# Altium PCB Controller A20.PcbDoc (part 1 of 2) (continued)
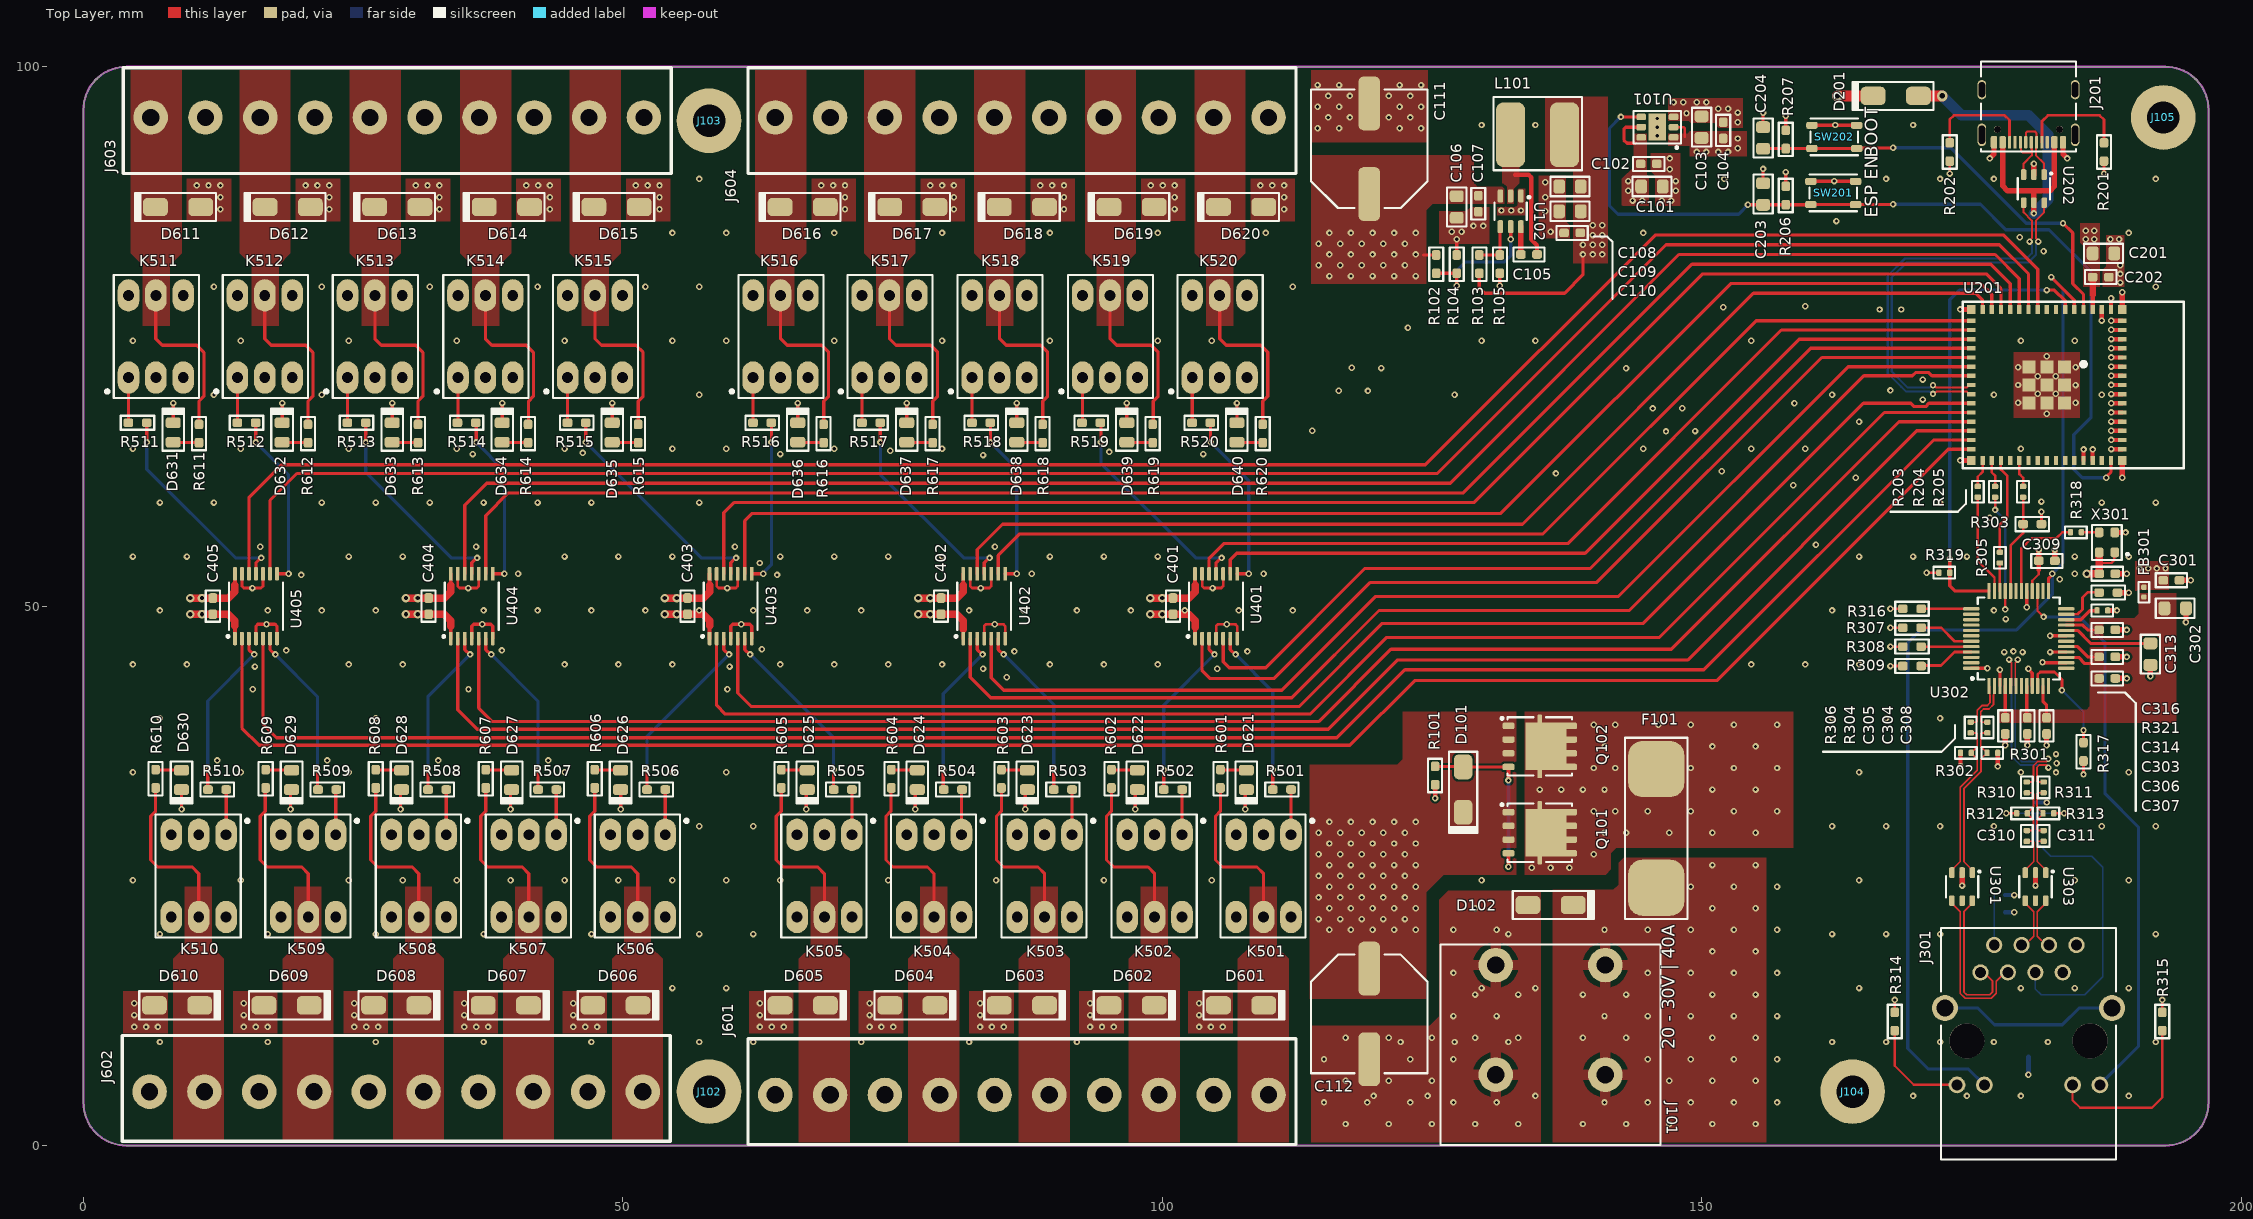
[diagram p0: Top Layer view]
## Components (designator, comment, footprint, x,y, rotation, side; value= is the part's Value field where it differs from the comment)
C101 "22u" C0805 145.4,88.9 r180 top
C102 "100n" C0603 145.1,91 r180 top
C103 "22u" C0805 150,94.4 r270 top
C104 "100n" C0603 152,94.1 r270 top
C105 "100n" C0603 134,82.6 r0 top
C106 "4u7" C0805 127.3,87 r90 top
C107 "100n" C0603 129.3,87.3 r90 top
C108 "22u" C0805 137.8,88.9 r0 top
C109 "22u" C0805 137.8,86.6 r0 top
C110 "100n" C0603 138,84.6 r0 top
C111 "330u" "SMD CAP,D10.3XL10.3MM" 119.2,92.4 r270 top
C112 "330u" "SMD CAP,D10.3XL10.3MM" 119.2,12.2 r90 top
C201 "4u7" C0805 187.25,82.7 r180 top
C202 "100n" C0603 187,80.5 r180 top
C203 "4u7" C0805 155.7,88.2 r270 top
C204 "4u7" C0805 155.7,93.4 r270 top
C301 "100n" C0603 193.55,52.4 r180 top
C302 "4u7" C0805 193.9,49.8 r180 top
C303 "100n" C0603 187.6,47.8 r180 top
C304 "100n" C0603 180.2,38.9 r90 top
C305 "100n" C0603 178.148,38.904 r90 top
C306 "100n" C0603 187.6,45.3 r180 top
C307 "100n" C0603 187.6,43.3 r180 top
C308 "100n" C0603 181.975,38.9 r90 top
C309 "100n" C0603 182,54.2 r180 top
C310 "6n8" C0402 180.146,28.7 r270 top
C311 "6n8" C0402 181.7,28.7 r270 top
C312 "10n" C0402 180.95,31.3 r270 bottom
C313 "4u7" C0805 191.6,45.55 r90 top
C314 "10n" C0402 187.15,49.6 r180 top
C315 "1n" C1206 180.3,9.7 r90 bottom
C316 "100n" C0603 187.6,53.008 r180 top
C317 "22n" C0402 177.625,21.625 r180 bottom
C401 "100n" C0603 101,50 r90 top
C402 "100n" C0603 79.5,50 r90 top
C403 "100n" C0603 56,50 r90 top
C404 "100n" C0603 32,50 r90 top
C405 "100n" C0603 12,50 r90 top
D101 "SMAZ15-13-F" DO-214AC(SMA) 127.9,33 r270 top
D102 "SMAJ30A" DO-214AC(SMA) 136,22.3 r0 top
D201 "SK510A-LTP" DO-214AC(SMA) 168,97.3 r180 top
D601 "SK510A-LTP" DO-214AC(SMA) 107.32,13 r0 top locked
D602 "SK510A-LTP" DO-214AC(SMA) 97.16,13 r0 top locked
D603 "SK510A-LTP" DO-214AC(SMA) 87,13 r0 top locked
D604 "SK510A-LTP" DO-214AC(SMA) 76.84,13 r0 top locked
D605 "SK510A-LTP" DO-214AC(SMA) 66.68,13 r0 top locked
D606 "SK510A-LTP" DO-214AC(SMA) 49.32,13 r0 top locked
D607 "SK510A-LTP" DO-214AC(SMA) 39.16,13 r0 top locked
D608 "SK510A-LTP" DO-214AC(SMA) 29,13 r0 top locked
D609 "SK510A-LTP" DO-214AC(SMA) 18.84,13 r0 top locked
D610 "SK510A-LTP" DO-214AC(SMA) 8.68,13 r0 top locked
D611 "SK510A-LTP" DO-214AC(SMA) 8.78,87 r180 top locked
D612 "SK510A-LTP" DO-214AC(SMA) 18.94,87 r180 top locked
D613 "SK510A-LTP" DO-214AC(SMA) 29.1,87 r180 top locked
D614 "SK510A-LTP" DO-214AC(SMA) 39.26,87 r180 top locked
D615 "SK510A-LTP" DO-214AC(SMA) 49.42,87 r180 top locked
D616 "SK510A-LTP" DO-214AC(SMA) 66.68,87 r180 top locked
D617 "SK510A-LTP" DO-214AC(SMA) 76.84,87 r180 top locked
D618 "SK510A-LTP" DO-214AC(SMA) 87,87 r180 top locked
D619 "SK510A-LTP" DO-214AC(SMA) 97.16,87 r180 top locked
D620 "SK510A-LTP" DO-214AC(SMA) 107.32,87 r180 top locked
D621 "XL-2012UGC" "0805 G LED" 107.8,33.9 r270 top locked
D622 "XL-2012UGC" "0805 G LED" 97.7,33.9 r270 top locked
D623 "XL-2012UGC" "0805 G LED" 87.5,33.9 r270 top locked
D624 "XL-2012UGC" "0805 G LED" 77.3,33.9 r270 top locked
D625 "XL-2012UGC" "0805 G LED" 67.1,33.9 r270 top locked
D626 "XL-2012UGC" "0805 G LED" 49.799,33.9 r270 top locked
D627 "XL-2012UGC" "0805 G LED" 39.699,33.9 r270 top locked
D628 "XL-2012UGC" "0805 G LED" 29.499,33.9 r270 top locked
D629 "XL-2012UGC" "0805 G LED" 19.299,33.9 r270 top locked
D630 "XL-2012UGC" "0805 G LED" 9.099,33.9 r270 top locked
D631 "XL-2012UGC" "0805 G LED" 8.321,66.1 r90 top locked
D632 "XL-2012UGC" "0805 G LED" 18.421,66.1 r90 top locked
D633 "XL-2012UGC" "0805 G LED" 28.621,66.1 r90 top locked
D634 "XL-2012UGC" "0805 G LED" 38.821,66.1 r90 top locked
D635 "XL-2012UGC" "0805 G LED" 49.021,66.1 r90 top locked
D636 "XL-2012UGC" "0805 G LED" 66.219,66.1 r90 top locked
D637 "XL-2012UGC" "0805 G LED" 76.319,66.1 r90 top locked
D638 "XL-2012UGC" "0805 G LED" 86.519,66.1 r90 top locked
D639 "XL-2012UGC" "0805 G LED" 96.719,66.1 r90 top locked
D640 "XL-2012UGC" "0805 G LED" 106.919,66.1 r90 top locked
F101 "50A" "SMD FUSE,12.2 X 4.5 X 4.5 MM" 145.8,29.4 r270 top
FB301 "120R" FB0402 191,51.3 r270 top
J101 "691256610002" "10.16MM 2P STB" 136,11.65 r0 top
J102 "Mounting Hole D6mm H3mm" "MH D6MM H3MM" 58,5 r0 top
J103 "Mounting Hole D6mm H3mm" "MH D6MM H3MM" 58,95 r0 top
J104 "Mounting Hole D6mm H3mm" "MH D6MM H3MM" 164,5 r0 top
J105 "Mounting Hole D6mm H3mm" "MH D6MM H3MM" 192.8,95.3 r0 top
J201 "12402012E212A" "USB-C FEMALE 16P" 180.3,95.5 r180 top
J301 "7499011121A" "RJ45 TH CONNECTOR" 180.3,9.7 r0 top
J601 "691242510010" "5.08MM 10P STB" 87,4.7 r180 top
J602 "691242510010" "5.08MM 10P STB" 29,5 r180 top
J603 "691242510010" "5.08MM 10P STB" 29.1,95.3 r0 top
J604 "691242510010" "5.08MM 10P STB" 87,95.3 r0 top
K501 "G3VM-61BR2" DIP6 109.4,25 r270 top locked
K502 "G3VM-61BR2" DIP6 99.3,25 r270 top locked
K503 "G3VM-61BR2" DIP6 89.1,25 r270 top locked
K504 "G3VM-61BR2" DIP6 78.856,25 r270 top locked
K505 "G3VM-61BR2" DIP6 68.696,25 r270 top locked
K506 "G3VM-61BR2" DIP6 51.399,25 r270 top locked
K507 "G3VM-61BR2" DIP6 41.299,25 r270 top locked
K508 "G3VM-61BR2" DIP6 31.099,25 r270 top locked
K509 "G3VM-61BR2" DIP6 20.855,25 r270 top locked
K510 "G3VM-61BR2" DIP6 10.695,25 r270 top locked
K511 "G3VM-61BR2" DIP6 6.721,75 r90 top locked
K512 "G3VM-61BR2" DIP6 16.821,75 r90 top locked
K513 "G3VM-61BR2" DIP6 27.021,75 r90 top locked
K514 "G3VM-61BR2" DIP6 37.265,75 r90 top locked
K515 "G3VM-61BR2" DIP6 47.425,75 r90 top locked
K516 "G3VM-61BR2" DIP6 64.619,75 r90 top locked
K517 "G3VM-61BR2" DIP6 74.719,75 r90 top locked
K518 "G3VM-61BR2" DIP6 84.919,75 r90 top locked
K519 "G3VM-61BR2" DIP6 95.163,75 r90 top locked
K520 "G3VM-61BR2" DIP6 105.323,75 r90 top locked
L101 "10uH" "L SMD 6.8X6.6" 134.8,93.7 r0 top
Q101 "XPH3R114MC,L1XHQ" "8-SOP ADVANCE (5X5)" 135,29 r270 top
Q102 "XPH3R114MC,L1XHQ" "8-SOP ADVANCE (5X5)" 135,37 r270 top
R101 "162k" R0603 125.3,34.3 r90 top
R102 "2M4" R0603 125.4,81.7 r90 top
R103 "162k" R0603 129.4,81.7 r270 top
R104 "162k" R0603 127.3,81.7 r270 top
R105 "22k1" R0603 131.3,81.7 r90 top
R201 "5k1" R0603 187.3,92.1 r90 top
R202 "5k1" R0603 173,92.1 r90 top
R203 "22R" R0402 175.6,60.6 r90 top
R204 "22R" R0402 177.2,60.6 r90 top
R205 "22R" R0402 179.8,60.6 r90 top
R206 "12k4" R0603 157.804,88.066 r90 top
R207 "12k4" R0603 157.804,93.266 r90 top
R301 "49R9" R0402 176.954,36.4 r0 top
R302 "49R9" R0402 174.5,36.4 r180 top
R303 "4k7" R0603 180.65,57.6 r0 top
R304 "22R" R0402 176.494,38.75 r270 top
R305 "22R" R0402 177.65,54.5 r270 top
R306 "22R" R0402 174.94,38.75 r270 top
R307 "4k7" R0603 169.5,48.004 r180 top
R308 "4k7" R0603 169.5,46.25 r180 top
R309 "4k7" R0603 169.5,44.45 r180 top
R310 "22R" R0402 180.15,33.2 r270 top
R311 "22R" R0402 181.704,33.2 r270 top
R312 "49R9" R0402 179.696,30.8 r0 top
R313 "49R9" R0402 182.15,30.8 r180 top
R314 "470R" R0603 167.9,11.5 r270 top
R315 "470R" R0603 192.7,11.5 r270 top
R316 "4k7" R0603 169.5,49.758 r180 top
R317 "12k4" R0603 185.4,36.5 r90 top
R318 "22R" R0402 184.7,56.85 r180 top
R319 "10R" R0402 172.5,53.1 r180 top
R320 "10R" R0402 177.625,23.225 r0 bottom
R321 "4k7" R0603 187.7,51.254 r180 top
R501 "470R" R0603 111.1,33 r0 top locked
R502 "470R" R0603 101,33 r0 top locked
R503 "470R" R0603 90.8,33 r0 top locked
R504 "470R" R0603 80.6,33 r0 top locked
R505 "470R" R0603 70.4,33 r0 top locked
R506 "470R" R0603 53.099,33 r0 top locked
R507 "470R" R0603 42.999,33 r0 top locked
R508 "470R" R0603 32.799,33 r0 top locked
R509 "470R" R0603 22.599,33 r0 top locked
R510 "470R" R0603 12.399,33 r0 top locked
R511 "470R" R0603 5.021,67 r180 top locked
R512 "470R" R0603 15.121,67 r180 top locked
R513 "470R" R0603 25.321,67 r180 top locked
R514 "470R" R0603 35.521,67 r180 top locked
R515 "470R" R0603 45.721,67 r180 top locked
R516 "470R" R0603 62.919,67 r180 top locked
R517 "470R" R0603 73.019,67 r180 top locked
R518 "470R" R0603 83.219,67 r180 top locked
R519 "470R" R0603 93.419,67 r180 top locked
R520 "470R" R0603 103.619,67 r180 top locked
R601 "12k4" R0603 105.4,34 r270 top locked
R602 "12k4" R0603 95.3,34 r270 top locked
R603 "12k4" R0603 85.1,34 r270 top locked
R604 "12k4" R0603 74.9,34 r270 top locked
R605 "12k4" R0603 64.7,34 r270 top locked
R606 "12k4" R0603 47.399,34 r270 top locked
R607 "12k4" R0603 37.299,34 r270 top locked
R608 "12k4" R0603 27.099,34 r270 top locked
R609 "12k4" R0603 16.899,34 r270 top locked
R610 "12k4" R0603 6.699,34 r270 top locked
R611 "12k4" R0603 10.721,66 r90 top locked
R612 "12k4" R0603 20.821,66 r90 top locked
R613 "12k4" R0603 31.021,66 r90 top locked
R614 "12k4" R0603 41.221,66 r90 top locked
R615 "12k4" R0603 51.421,66 r90 top locked
R616 "12k4" R0603 68.619,66 r90 top locked
R617 "12k4" R0603 78.719,66 r90 top locked
R618 "12k4" R0603 88.919,66 r90 top locked
R619 "12k4" R0603 99.119,66 r90 top locked
R620 "12k4" R0603 109.319,66 r90 top locked
SW201 "SKRPANE010" "SMD TACTILE SWITCH" 162.2,88.3 r180 top
SW202 "SKRPANE010" "SMD TACTILE SWITCH" 162.3,93.5 r180 top
U101 "LD39200PU33R" DFN-6(3X3) 145.9,94.4 r180 top
U102 "LMR51430YDDCR" SOT-23-6 132.3,86.6 r270 top
U201 "ESP32-S3-MINI-1-N8" ESP32-S3-MINI-1-N8 182,70.5 r270 top
U202 "USBLC6-2SC6" SOT23-6L 180.8,88.7 r270 top
U301 "USBLC6-2SC6" SOT23-6L 174.15,24 r270 top
U302 "W5500" LQFP-48(7X7) 179.4,47 r90 top
U303 "USBLC6-2SC6" SOT23-6L 180.95,24 r270 top
U401 "SN74LV4T125PWR" 14-TSSOP 105,50 r90 top
U402 "SN74LV4T125PWR" 14-TSSOP 83.5,50 r90 top
U403 "SN74LV4T125PWR" 14-TSSOP 60,50 r90 top
U404 "SN74LV4T125PWR" 14-TSSOP 36,50 r90 top
U405 "SN74LV4T125PWR" 14-TSSOP 16,50 r90 top
X301 "ECS-2520MV-250-BN-TR" SMD2520-4P 187.575,55.908 r90 top

## Footprints (in the part's own frame and the unit in brackets; to place one, negate y for a bottom-side part, rotate by r counter-clockwise, add the part's x,y. Pads: shape width x height; smd on the part's side, far side on the other; paste and mask are expansions set on the pad)
"5.08MM 10P STB" [mm]
  round 3.2 hole 1.6: 1(-22.86,0) 2(-17.78,0) 3(-12.7,0) 4(-7.62,0) 5(-2.54,0) 6(2.54,0) 7(7.62,0) 8(12.7,0) 9(17.78,0) 10(22.86,0)
  silkscreen extent -25.4,-5.2 25.4,4.6, body extent -25.4,-5.2 25.4,4.6, height 13.8
"8-SOP ADVANCE (5X5)" [mm]
  rrect50% 0.6x1.1 smd: 1(-1.905,-2.9) 1(-0.635,-2.9) 1(0.635,-2.9) 4(1.905,-2.9) 5(-1.905,2.9) 5(-0.635,2.9) 5(0.635,2.9) 5(1.905,2.9)
  rrect50% 0.9x0.4 smd: 5(-2.5,0) 5(2.5,0)
  rect 4.4x3.8 smd: 5(0,0.6)
  silkscreen extent -2.7,-3.6 2.7,3, body extent -2.45,-3 2.45,3, height 1.1
"10.16MM 2P STB" [mm]
  round 3.2 hole 1.6: 1(-5.08,-5.08) 1(-5.08,5.08) 2(5.08,-5.08) 2(5.08,5.08)
  silkscreen extent -10.2,-11.6 10.2,7, body extent -10.16,-11.58 10.16,6.72, height 29.3
14-TSSOP [mm]
  rrect50% 1.25x0.35 smd: 1(-3,1.95) 2(-3,1.3) 3(-3,0.65) 4(-3,0) 5(-3,-0.65) 6(-3,-1.3) 7(-3,-1.95) 8(3,-1.95) 9(3,-1.3) 10(3,-0.65) 11(3,0) 12(3,0.65) 13(3,1.3) 14(3,1.95)
  silkscreen extent -2.9,-2.5 2.2,2.7, body extent -3.2,-2.5 3.2,2.5, height 1.2
"0805 G LED" [mm]
  rrect50% 1x1.4 smd: 1(-0.9,0) 2(0.9,0)
  silkscreen extent -1.7,-1 2.2,1, body extent -1.01,-0.63 1.01,0.63, height 0.8
C0402 [mm]
  rrect50% 0.5x0.6 smd: 1(-0.5,0) 2(0.5,0)
  silkscreen extent -1,-0.55 1,0.55, body extent -0.5,-0.25 0.5,0.25, height 0.55
C0603 [mm]
  rrect50% 0.9x0.8 smd: 1(-0.75,0) 2(0.75,0)
  silkscreen extent -1.45,-0.65 1.45,0.65, body extent -0.8,-0.4 0.8,0.4, height 0.95
C0805 [mm]
  rrect50% 1.1x1.3 smd: 1(-1,0) 2(1,0)
  silkscreen extent -1.8,-0.9 1.8,0.9, body extent -1,-0.63 1,0.62, height 1.45
C1206 [mm]
  rrect50% 1.1x1.6 smd: 1(-1.5,0) 2(1.5,0)
  silkscreen extent -2.3,-1.05 2.3,1.05, body extent -1.6,-0.8 1.6,0.8, height 1.8
DFN-6(3X3) [mm]
  rrect50% 0.9x0.6 smd: 1(-1.5,0.95) 2(-1.5,0) 3(-1.5,-0.95) 4(1.5,-0.95) 5(1.5,0) 6(1.5,0.95)
  rect 1.6x2.5 smd: 3(0,0)
  silkscreen extent -2.2,-1.5 2.2,2, body extent -1.5,-1.5 1.5,1.5, height 1.01
DIP6 [mm]
  oval 3x2 hole 1: 1(-3.81,2.54) 2(-3.81,0) 3(-3.81,-2.54) 4(3.81,-2.54) 5(3.81,0) 6(3.81,2.54)
  silkscreen extent -5.7,-4 5.7,4.65, body extent -5,-3.81 5,3.81, height 7.83
DO-214AC(SMA) [mm]
  rrect50% 2.3x1.7 smd: 1(-2.1,0) 2(2.1,0)
  silkscreen extent -3.5,-1.3 4,1.3, body extent -2.56,-1.34 2.56,1.34, height 2.26
ESP32-S3-MINI-1-N8 [mm]
  rect 0.8x0.4 smd: 1(-7,5.1) 1(-7,5.95) 1(7,4.25) 1(7,3.4) 3(-7,4.25) 4(-7,3.4) 5(-7,2.55) 6(-7,1.7) 7(-7,0.85) 8(-7,0) 9(-7,-0.85) 10(-7,-1.7) 11(-7,-2.55) 12(-7,-3.4) 13(-7,-4.25) 14(-7,-5.1) 15(-7,-5.95) 31(7,-5.95) 32(7,-5.1) 33(7,-4.25) 34(7,-3.4) 35(7,-2.55) 36(7,-1.7) 37(7,-0.85) 38(7,0) 39(7,0.85) 40(7,1.7) 41(7,2.55) 44(7,5.1) 45(7,5.95)
  rect 0.8x0.8 smd: 1(-7,7) 1(-7,-7) 1(7,7) 1(7,-7)
  rect 0.4x0.8 smd: 1(-5.95,7) 1(-5.1,7) 1(-4.25,7) 1(-3.4,7) 1(-2.55,7) 1(-1.7,7) 1(-0.85,7) 1(0,7) 1(0.85,7) 1(1.7,7) 1(2.55,7) 1(3.4,7) 1(4.25,7) 1(5.1,7) 1(5.95,7) 16(-5.95,-7) 17(-5.1,-7) 18(-4.25,-7) 19(-3.4,-7) 20(-2.55,-7) 21(-1.7,-7) 22(-0.85,-7) 23(0,-7) 24(0.85,-7) 25(1.7,-7) 26(2.55,-7) 27(3.4,-7) 28(4.25,-7) 29(5.1,-7) 30(5.95,-7)
  rect 1.2x1.2 smd: 1(-1.65,1.65) 1(-1.65,0) 1(-1.65,-1.65) 1(0,1.65) 1(0,0) 1(0,-1.65) 1(1.65,1.65) 1(1.65,0) 1(1.65,-1.65)
  silkscreen extent -7.73,-7.8 7.73,12.7, body extent -7.7,-7.75 7.7,12.75, height 2.4
FB0402 [mm]
  rrect50% 0.5x0.5 smd: 1(-0.45,0) 2(0.45,0)
  silkscreen extent -0.95,-0.5 0.95,0.5, body extent -0.5,-0.25 0.5,0.25, height 0.51
"L SMD 6.8X6.6" [mm]
  rrect50% 2.7x6 smd: 1(-2.5,0) 2(2.5,0)
  silkscreen extent -4.1,-3.3 4.1,3.5, body extent -3.3,-3.4 3.3,3.4, height 6
LQFP-48(7X7) [mm]
  rrect50% 1.5x0.3 smd: 1(-4.4,2.75) 2(-4.4,2.25) 3(-4.4,-1.25) 3(-4.4,1.75) 4(-4.4,-2.25) 4(-4.4,-0.75) 4(-4.4,1.25) 5(-4.4,0.75) 6(-4.4,0.25) 7(-4.4,-0.25) 10(-4.4,-1.75) 12(-4.4,-2.75) 25(4.4,-2.75) 26(4.4,-2.25) 27(4.4,-1.75) 28(4.4,-1.25) 29(4.4,-0.75) 30(4.4,-0.25) 31(4.4,0.25) 32(4.4,0.75) 33(4.4,1.25) 34(4.4,1.75) 35(4.4,2.25) 36(4.4,2.75)
  rrect50% 0.3x1.5 smd: 3(-2.75,4.4) 3(-2.25,-4.4) 3(-1.25,-4.4) 3(0.25,-4.4) 4(-1.75,-4.4) 4(-0.75,-4.4) 4(1.25,-4.4) 13(-2.75,-4.4) 18(-0.25,-4.4) 20(0.75,-4.4) 22(1.75,-4.4) 23(2.25,-4.4) 24(2.75,-4.4) 37(2.75,4.4) 38(2.25,4.4) 39(1.75,4.4) 40(1.25,4.4) 41(0.75,4.4) 42(0.25,4.4) 43(-0.25,4.4) 44(-0.75,4.4) 45(-1.25,4.4) 46(-1.75,4.4) 47(-2.25,4.4)
  silkscreen extent -3.8,-3.8 3.8,4.4, body extent -4.6,-4.6 4.6,4.6, height 1.6
"MH D6MM H3MM" [mm]
  round 6 hole 3: 1(0,0)
R0402 [mm]
  rrect50% 0.5x0.6 smd: 1(-0.5,0) 2(0.5,0)
  silkscreen extent -1,-0.55 1,0.55, body extent -0.5,-0.25 0.5,0.25, height 0.4
R0603 [mm]
  rrect50% 0.9x0.8 smd: 1(-0.85,0) 2(0.85,0)
  silkscreen extent -1.55,-0.65 1.55,0.65, body extent -0.8,-0.4 0.8,0.4, height 0.55
"RJ45 TH CONNECTOR" [mm]
  round 1.5 hole 1: 1(-4.445,6.35) 2(-3.175,8.89) 3(-1.905,6.35) 4(-0.635,8.89) 5(0.635,6.35) 6(1.905,8.89) 7(3.175,6.35) 8(4.445,8.89)
  round 1.55 hole 1: 9(-6.625,-4.08) 10(-4.085,-4.08) 11(4.085,-4.08) 12(6.625,-4.08)
  round 2.4 hole 1.6: SH(-7.745,3.05) SH(7.745,3.05)
  round 3.25 hole 3.25 unplated: ""(-5.715,0) ""(5.715,0)
  silkscreen extent -8.1,-10.99 8.1,10.46, body extent -9.35,-10.72 9.35,10.54, height 15.05
SMD2520-4P [mm]
  rrect50% 0.9x0.8 smd: 1(-0.925,-0.725) 2(0.925,-0.725) 3(0.925,0.725) 4(-0.925,0.725)
  silkscreen extent -1.63,-2 1.63,1.38, body extent -1.25,-1 1.25,1, height 0.9
"SMD CAP,D10.3XL10.3MM" [mm]
  rrect50% 5x2 smd: 1(4.2,0) 2(-4.2,0)
  silkscreen extent -5.5,-5.4 5.5,5.4, body extent -5.85,-5.15 5.85,5.15, height 10.2
"SMD FUSE,12.2 X 4.5 X 4.5 MM" [mm]
  rrect50% 5.2x5.2 smd: 1(-5.5,0) 2(5.5,0)
  silkscreen extent -8.4,-2.9 8.4,2.9, body extent -6.25,-2.22 6.25,2.22, height 4.39
"SMD TACTILE SWITCH" [mm]
  rrect50% 1.05x0.65 smd: 1(-2.075,1.075) 1(2.075,1.075) 2(-2.075,-1.075) 2(2.075,-1.075)
  silkscreen extent -2.2,-1.7 2.2,1.7, body extent -2.25,-1.6 2.25,1.6, height 2.51
SOT23-6L [mm]
  rrect50% 1x0.5 smd: 1(-1.3,0.95) 2(-1.3,0) 3(-1.3,-0.95) 4(1.3,-0.95) 5(1.3,0) 6(1.3,0.95)
  silkscreen extent -1.5,-1.5 1,1.7, body extent -1.4,-1.46 1.4,1.46, height 1.45
SOT-23-6 [mm]
  rrect50% 1.2x0.5 smd: 1(-1.425,0.95) 2(-1.425,0) 3(-1.425,-0.95) 4(1.425,-0.95) 5(1.425,0) 6(1.425,0.95)
  silkscreen extent -1.4,-1.5 0.8,1.8, body extent -1.44,-1.45 1.44,1.45, height 0.95
"USB-C FEMALE 16P" [mm]
  rrect50% 0.6x1.14 smd: A1B12/B1A12(-3.2,2.5) A1B12/B1A12(3.2,2.5) "A4B9/ B4A9"(-2.4,2.5) "A4B9/ B4A9"(2.4,2.5)
  rrect50% 0.3x1.14 smd: A5(-1.25,2.5) A6/B6(-0.25,2.5) A6/B6(0.75,2.5) A7/B7(-0.75,2.5) A7/B7(0.25,2.5) A8(1.25,2.5) B5(1.75,2.5) B8(-1.75,2.5)
  round 0.65 hole 0.65 unplated mask+0: H(-2.89,1.305) H(2.89,1.305)
  oval 0.8x1.8 hole 0.6 slot 1.4 at 90 deg: SH(-4.32,-2.375) SH(4.32,-2.375)
  oval 0.8x2.1 hole 0.6 slot 1.7 at 90 deg: SH(-4.32,1.805) SH(4.32,1.805)
  silkscreen extent -4.4,-5 4.4,3.37, body extent -4.47,-5 4.47,2.71, height 3.31

## Part data
C101 C103 C108 C109: library part "CAP 22uF 25V", "22 µF ±20% 25V Ceramic Capacitor X5R 0805 (2012 Metric)", Manufacturer="Samsung Electro-Mechanics", Mfr. Part #=CL21A226MAYNNNE, Package=0805, ComponentLink1Description=Datasheet, ComponentLink1URL=https://mm.digikey.com/Volume0/opasdata/d220001/medias/docus/339/CL21A226MAYNNNE_Spec.pdf, ComponentLink2Description="Distributor Link", ComponentLink2URL=https://www.digikey.com/en/products/detail/samsung-electro-mechanics/CL21A226MAYNNNE/10479857, Ext. Price=0.43, Qty.=10, Supplier=DigiKey, Supplier Part #=1276-CL21A226MAYNNNECT-ND, Unit Price=0.043
C102 C104 C105 C107 C110 C202 C301 C303 C304 C305 C306 C307 C308 C309 C316 C401 C402 C403 C404 C405: library part "CAP 100nF 50V", "0.1 µF ±10% 50V Ceramic Capacitor X7R 0603 (1608 Metric)", Manufacturer=KEMET, Mfr. Part #=C0603C104K5RACTU, Package=0603, ComponentLink1Description=Datasheet, ComponentLink1URL=https://www.yageogroup.com/content/datasheet/asset/file/KEM_C1002_X7R_SMD, ComponentLink2Description="Distributor Link", ComponentLink2URL=https://www.digikey.com/en/products/detail/kemet/C0603C104K5RACTU/1465594, Ext. Price=0.11, Qty.=10, Supplier=DigiKey, Supplier Part #=399-C0603C104K5RACTUCT-ND, Unit Price=0.011
C106 C201 C203 C204 C302 C313: library part "CAP 4.7uF 50V", "4.7 µF ±20% 50V Ceramic Capacitor X7R 0805 (2012 Metric)", Manufacturer="Murata Electronics", Mfr. Part #=GRM21BZ71H475ME15K, Package=0805, ComponentLink1Description=Datasheet, ComponentLink1URL=https://search.murata.co.jp/Ceramy/image/img/A01X/G101/ENG/GRM21BZ71H475ME15-01.pdf, ComponentLink2Description="Distributor Link", ComponentLink2URL=https://www.digikey.com/en/products/detail/murata-electronics/GRM21BZ71H475ME15K/13904866, Ext. Price=0.27, Qty.=1, Supplier=DigiKey, Supplier Part #=490-GRM21BZ71H475ME15KCT-ND, Unit Price=0.27
C111 C112: library part "Electrolytic CAP 330uF 50V", "330 µF 50 V Aluminum Electrolytic Capacitors Radial, Can - SMD 2000 Hrs @ 105°C", Manufacturer=Nichicon, Mfr. Part #=UCM1H331MNL1GS, Package=SMD,D10.3xL10.3mm, ComponentLink1Description=Datasheet, ComponentLink1URL=https://www.nichicon.co.jp/english/series_items/catalog_pdf/e-ucm.pdf, ComponentLink2Description="Distributor Link", ComponentLink2URL=https://www.digikey.com/en/products/detail/nichicon/UCM1H331MNL1GS/4991858, Ext. Price=1.18, Qty.=1, Supplier=DigiKey, Supplier Part #=493-14535-1-ND, Unit Price=1.18
C310 C311: library part "CAP 6.8nF 100V", "6800 pF ±10% 100V Ceramic Capacitor X7R 0402 (1005 Metric)", Manufacturer="Samsung Electro-Mechanics", Mfr. Part #=CL05B682KC5VPNC, Package=0402, ComponentLink1Description=Datasheet, ComponentLink1URL=https://mm.digikey.com/Volume0/opasdata/d220001/medias/docus/5458/CL05B682KC5VPNC_Spec.pdf, ComponentLink2Description="Distributor Link", ComponentLink2URL=https://www.digikey.com/en/products/detail/samsung-electro-mechanics/CL05B682KC5VPNC/20498579, Ext. Price=0.49, Qty.=10, Supplier=DigiKey, Supplier Part #=1276-CL05B682KC5VPNCCT-ND, Unit Price=0.049
C312 C314: library part "CAP 10nF 50V", "10000 pF ±10% 50V Ceramic Capacitor X7R 0402 (1005 Metric)", Manufacturer=KEMET, Mfr. Part #=C0402C103K5REC7411, Package=0402, ComponentLink1Description=Datasheet, ComponentLink1URL=https://www.yageogroup.com/content/datasheet/asset/file/KEM_C1090_X7R_ESD, ComponentLink2Description="Distributor Link", ComponentLink2URL=https://www.digikey.com/en/products/detail/kemet/C0402C103K5REC7411/8645041, Ext. Price=0.56, Qty.=10, Supplier=DigiKey, Supplier Part #=399-C0402C103K5REC7411CT-ND, Unit Price=0.056
C315: library part "CAP 1nF 2kV", "2kV 1nF X7R ±10% 1206 Multilayer Ceramic Capacitors MLCC - SMD/SMT ROHS", Manufacturer="Johanson Dielectrics", Mfr. Part #=202R18W102KV4E, Package=1206, ComponentLink1Description=Datasheet, ComponentLink2Description="Distributor Link", ComponentLink2URL=https://www.digikey.com/en/products/detail/johanson-dielectrics-inc/VPDD202W102K1GV001E/1556359?s=N4IgTCBcDa4AxgEoEYAcB1ZCDSA1ALAKIgC6AvkA, Ext. Price=0.17, Qty.=1, Supplier=DigiKey, Supplier Part #=709-VPDD202W102K1GV001ECT-ND, Unit Price=0.17
C317: library part "CAP 22nF 50V", "0.022 µF ±10% 50V Ceramic Capacitor X7R 0402 (1005 Metric)", Manufacturer=YAGEO, Mfr. Part #=CC0402KRX7R9BB223, Package=0402, ComponentLink1Description=Datasheet, ComponentLink1URL=https://www.yageogroup.com/content/datasheet/asset/file/UPY-GPHC_X7R_6_3V-TO-250V, ComponentLink2Description="Distributor Link", ComponentLink2URL=https://www.digikey.com/en/products/detail/yageo/CC0402KRX7R9BB223/5195131, Ext. Price=0.29, Qty.=10, Supplier=DigiKey, Supplier Part #=311-1722-1-ND, Unit Price=0.029
D101: library part "SMAZ15-13-F 15V Zener Diode", "Zener Diode 15 V 1 W ±5% Surface Mount SMA", Manufacturer="Diodes Incorporated", Package=DO-214AC(SMA), ComponentLink1Description=Datasheet, ComponentLink1URL=https://www.diodes.com/assets/Datasheets/ds18015.pdf, ComponentLink2Description="Distributor Link", ComponentLink2URL=https://www.digikey.com/en/products/detail/diodes-incorporated/SMAZ15-13-F/775753, Ext. Price=0.28, Mfr. Part #=SMAZ15-13-F, Qty.=1, Supplier=DigiKey, Supplier Part #=SMAZ15-FDICT-ND, Unit Price=0.28
D102: library part "SMAJ30A TVS Diode 30VRWM", "48.4V Clamp 8.3A Ipp Tvs Diode Surface Mount DO-214AC", Manufacturer="Würth Elektronik", Package=DO-214AC(SMA), ComponentLink1Description=Datasheet, ComponentLink1URL=https://www.we-online.com/components/products/datasheet/824500301.pdf, ComponentLink2Description="Distributor Link", ComponentLink2URL=https://www.digikey.com/en/products/detail/w%C3%BCrth-elektronik/SMAJ30A/5870799, Ext. Price=0.29, Mfr. Part #=SMAJ30A, Qty.=1, Supplier=DigiKey, Supplier Part #=732-SMAJ30ACT-ND, Unit Price=0.29
D201 D601 D602 D603 D604 D605 D606 D607 D608 D609 D610 D611 D612 D613 D614 D615 D616 D617 D618 D619 D620: library part "SK510A-LTP 100V 5A Schottky Diode", "Diode 100 V 5A Surface Mount DO-214AC (SMA)", Manufacturer="MCC (Micro Commercial Components)", Package=DO-214AC(SMA), ComponentLink1Description=Datasheet, ComponentLink1URL=https://www.mccsemi.com/pdf/Products/SK52A-L_SK5200A-L(SMA).pdf, ComponentLink2Description="Distributor Link", ComponentLink2URL=https://www.digikey.com/en/products/detail/mcc-micro-commercial-components/SK510A-LTP/5114130, Ext. Price=0.5, Mfr. Part #=SK510A-LTP, Qty.=1, Supplier=DigiKey, Supplier Part #=SK510A-LTPMSCT-ND, Unit Price=0.5
D621 D622 D623 D624 D625 D626 D627 D628 D629 D630 D631 D632 D633 D634 D635 D636 D637 D638 D639 D640: library part "LED EMERALD", "Green 525nm LED Indication - Discrete 2.9V 0805 (2012 Metric)", Manufacturer=XINGLIGHT, Package=0805, ComponentLink1Description=Datasheet, ComponentLink1URL=https://mm.digikey.com/Volume0/opasdata/d220001/medias/docus/6472/5962_XL-2012UGC%200805%E7%BF%A0%E7%BB%BF.pdf, ComponentLink2Description="Distributor Link", ComponentLink2URL=https://www.digikey.com/en/products/detail/xinglight/XL-2012UGC/25673312, Ext. Price=33.75, Mfr. Part #=XL-2012UGC, Qty.=3000, Supplier=DigiKey, Supplier Part #=5962-XL-2012UGCTR-ND, Unit Price=0.01125
F101: library part "0456050.DRSDE Fuse 50A", "50 A 250 V 80 V Fuse Board Mount (Cartridge Style Excluded) Surface Mount 2-SMD, Square End Block", Manufacturer="Littelfuse Inc.", Mfr. Part #=0456050.DRSDE, Package="SMD,12.2 x 4.5 x 4.5 mm", ComponentLink1Description=Datasheet, ComponentLink1URL=https://www.littelfuse.com/assetdocs/littelfuse-nano2-fuse-456sde-series-datasheet?assetguid=a4746110-f339-4e5a-85ce-ce23fbd88349, ComponentLink2Description="Distributor Link", ComponentLink2URL=https://www.digikey.com/en/products/detail/littelfuse-inc/0456050-DRSDE/14005839, Ext. Price=6.13, Qty.=1, Supplier=DigiKey, Supplier Part #=18-0456050.DRSDECT-ND, Unit Price=6.13
FB301: library part "BLM15PX121SN1D Ferrite Bead 120Ω", "120 Ohms @ 100 MHz 1 Power Line Ferrite Bead 0402 (1005 Metric) 2A 55mOhm", Manufacturer="Murata Electronics", Mfr. Part #=BLM15PX121SN1D, Package=0402, ComponentLink1Description=Datasheet, ComponentLink1URL=https://www.murata.com/en-us/products/productdata/8796740059166/ENFA0018.pdf, ComponentLink2Description="Distributor Link", ComponentLink2URL=https://www.digikey.com/en/products/detail/murata-electronics/BLM15PX121SN1D/4421095?s=N4IgTCBcDaIEIBkCyBGArABQBorCgygHIoAiIAugL5A, Ext. Price=0.1, Qty.=1, Supplier=DigiKey, Supplier Part #=490-9656-1-ND, Unit Price=0.1
J101: library part "Terminal Block 2P 57A", "2 Position Wire to Board Terminal Block Horizontal with Board 0.400\" (10.16mm) Through Hole", Manufacturer="Würth Elektronik", Package="Through Hole, P=10.16mm", ComponentLink1Description=Datasheet, ComponentLink1URL=https://www.we-online.com/components/products/datasheet/691256610002.pdf, ComponentLink2Description="Distributor Link", ComponentLink2URL=https://www.digikey.com/en/products/detail/w%C3%BCrth-elektronik/691256610002/6644127, Ext. Price=3.36, Mfr. Part #=691256610002, Qty.=1, Supplier=DigiKey, Supplier Part #=732-11031-ND, Unit Price=3.36
J201: library part "USB2.0 Type-C Connector", "USB-C (USB TYPE-C) USB 2.0 Receptacle Connector 24 (16+8 Dummy) Position Surface Mount, Right Angle; Through Hole", Manufacturer="Amphenol ICC (Commercial Products)", Package=SMD, ComponentLink1Description=Datasheet, ComponentLink1URL=https://cdn.amphenol-cs.com/media/wysiwyg/files/drawing/12402012-10.pdf, ComponentLink2Description="Distributor Link", ComponentLink2URL=https://www.digikey.com/en/products/detail/amphenol-cs-commercial-products/12402012E212A/13683192?s=N4IgTCBcDaIIxgCwAYzIQUTAggiAugL5A, Ext. Price=0.61, Mfr. Part #=12402012E212A, Qty.=1, Supplier=DigiKey, Supplier Part #=664-12402012E212ACT-ND, Unit Price=0.61
J301: library part "7499011121A RJ45 Connector", "1 Port RJ45 with Magnetics Through Hole 10/100 Base-T, AutoMDIX", Manufacturer="Würth Elektronik", Package="Through Hole", ComponentLink1Description=Datasheet, ComponentLink1URL=https://www.we-online.com/components/products/datasheet/7499011121A.pdf, ComponentLink2Description="Distributor Link", ComponentLink2URL=https://www.digikey.com/en/products/detail/w%C3%BCrth-elektronik/7499011121A/4031599, Ext. Price=6.55, Mfr. Part #=7499011121A, Qty.=1, Supplier=DigiKey, Supplier Part #=732-4509-5-ND, Unit Price=6.55
J601 J602 J603 J604: library part "Terminal Block 10P 14A", "10 Position Wire to Board Terminal Block Horizontal with Board 0.200\" (5.08mm) Through Hole", Manufacturer="Würth Elektronik", Package="Through Hole, P=5.08mm", ComponentLink1Description=Datasheet, ComponentLink1URL=https://www.we-online.com/components/products/datasheet/691242510010.pdf, ComponentLink2Description="Distributor Link", ComponentLink2URL=https://www.digikey.com/en/products/detail/w%C3%BCrth-elektronik/691242510010/11477533?s=N4IgTCBcDaIGwE4CMYAsYCsSAM2cgF0BfIA, Ext. Price=5.17, Mfr. Part #=691242510010, Qty.=1, Supplier=DigiKey, Supplier Part #=732-691242510010-ND, Unit Price=5.17
K501 K502 K503 K504 K505 K506 K507 K508 K509 K510 K511 K512 K513 K514 K515 K516 K517 K518 K519 K520: library part "G3VM-61BR2 60V 4/8 A SSR", "2.5kV 60V 1.64V DIP-6 Solid State Relays (SSR) RoHS", Manufacturer="Omron Electronics Inc-EMC Div", Package=DIP-6, ComponentLink1Description=Datasheet, ComponentLink1URL=https://mm.digikey.com/Volume0/opasdata/d220001/medias/docus/311/G3VM-zBRzzzERzz_DS.pdf, ComponentLink2Description="Distributor Link", ComponentLink2URL=https://www.digikey.com/en/products/detail/omron-electronics-inc-emc-div/G3VM-61BR2/9920126?s=N4IgTCBcDaIOIGYBqBZAtANgIwCEBKEAugL5A, Ext. Price=10.71, Mfr. Part #=G3VM-61BR2, Qty.=1, Supplier=DigiKey, Supplier Part #=39-G3VM-61BR2-ND, Unit Price=10.71
L101: library part "10uH 7A Inductor", "10 µH Shielded Inductor 7 A 29.82mOhm Max Nonstandard", Manufacturer="Pulse Electronics", Mfr. Part #=PM5432.103NLT, Package="SMD, 6.8x6.6", ComponentLink1Description=Datasheet, ComponentLink1URL=https://www.yageogroup.com/content/datasheet/asset/file/DATASHEET_P890, ComponentLink2Description="Distributor Link", ComponentLink2URL=https://www.digikey.com/en/products/detail/pulse-electronics/PM5432-103NLT/13693950, Ext. Price=1.83, Qty.=1, Supplier=DigiKey, Supplier Part #=553-PM5432.103NLTCT-ND, Unit Price=1.83
Q101 Q102: library part "MOSFET P-CH 40V 100A", "P-Channel 40 V 100A (Ta) 960mW (Ta), 170W (Tc) Surface Mount 8-SOP Advance (5x5)", Manufacturer="Toshiba Semiconductor and Storage", Package="8-SOP Advance (5x5)", ComponentLink1Description=Datasheet, ComponentLink1URL=https://toshiba.semicon-storage.com/info/XPH3R114MC_datasheet_en_20241216.pdf?did=63639&prodName=XPH3R114MC, ComponentLink2Description="Distributor Link", ComponentLink2URL=https://www.digikey.com/en/products/detail/toshiba-semiconductor-and-storage/XPH3R114MC-L1XHQ/12155003, Ext. Price=1.82, Mfr. Part #=XPH3R114MC,L1XHQ, Qty.=1, Supplier=DigiKey, Supplier Part #=264-XPH3R114MCL1XHQCT-ND, Unit Price=1.82